# KiCad board FMC_MIPI_v2.kicad_pcb (continued)
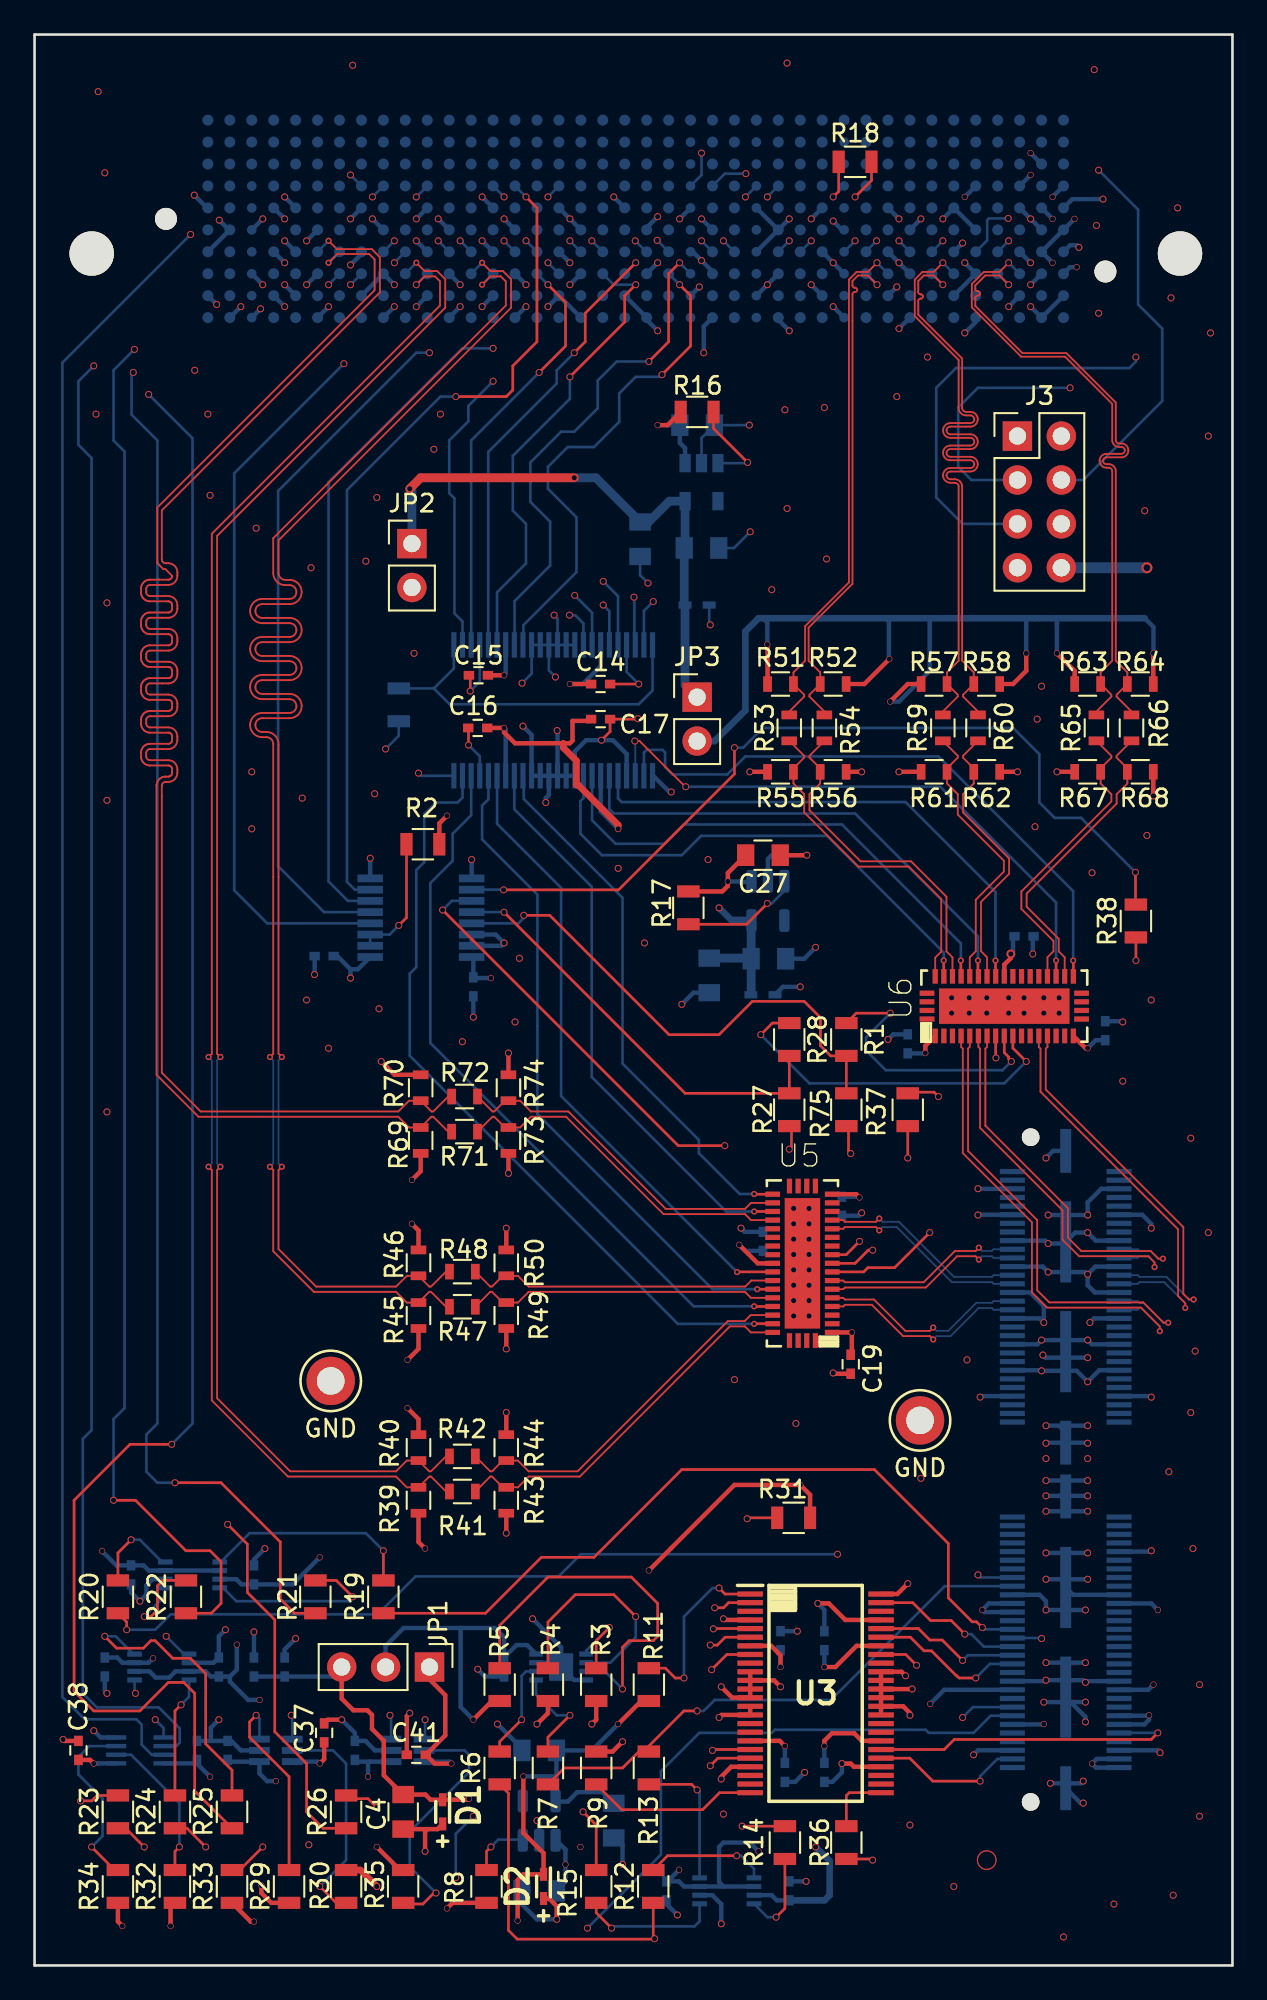
[diagram p0: board, top side]
## Routing (per net, layer and track width the routed paths; a pad name or vN(x,y) marks a point on that pad's centre or on a via; arc(x,y) is an arc through that point) (continued)
/VOLT_1P2: length 120.4
  Top w0.254: C17.1 32.11,72.03 31.14,72.03 31.14,70.89 30.99,70.74 27.81,70.74 27.18,71.37 v3(27.18,71.63) C16.1
  Top w0.381: R30.1 18.86,5.52 v2(19.81,4.57) ; 30.61,70.74 30.61,70.48 31.37,69.72 31.37,68.33 31.47,68.33 33.78,66.01 v3(33.78,65.79)
  In2.Cu w0.381: v3(33.78,65.79) 35.05,65.79 v2(39.62,61.21)
  In3.Cu w0.254: 16.26,13.21 14.48,11.43 14.48,11.18 v3(13.97,10.67)
  In3.Cu w0.381: 22.86,12.45 22.86,11.18 23.61,10.43 23.61,9.66 23.62,9.65 23.62,5.84 22.35,4.57 v2(19.81,4.57) ; 22.86,12.45 18.54,12.45 17.78,13.21 16.26,13.21 ; 22.86,12.45 24.13,13.72 24.13,14.22 27.43,17.53 27.43,21.34 35.31,29.21 35.31,56.9 v2(39.62,61.21)
  Bottom w0.254: U8.42 27.27,71.53 v3(27.18,71.63) ; U8.31 32.77,66.8 v3(33.78,65.79) ; 41.48,60.49 41.5,60.52 ; 41.45,58.3 C28.2 ; 41.41,56.43 41.66,56.18 ; C36.2 11.28,11.8 IC6.1 13.02,11.11 13.46,10.67 v3(13.97,10.67)
  Bottom w0.381: 41.5,60.52 40.32,60.52 v2(39.62,61.21)
  Bottom w0.508: 41.48,60.49 C28.2 41.48,56.43 ; C30.2 41.45,58.3
/VOLT_1P8: length 135
  Top w0.254: R11.2 35.12,15.31 v3(33.78,13.97) ; v3(27.97,2.59) 27.97,4.95 28.28,5.27 D2.1 29.46,6.5 28.3,7.67 v3(28.3,10.95) ; JP1.1 22.86,16.56 23.77,15.65 23.77,13.32 C41.2 23.16,11.68 v3(24.13,11.68) ; U3.42 47.58,18.5 46.36,17.27 v3(45.72,17.27) ; U3.31 47.89,13 47.45,13.44 46.15,13.44 45.72,13 v3(45.72,12.7)
  In2.Cu w0.254: v3(27.97,2.59) 27.99,2.59 29.21,3.81 30.35,3.81 31.52,4.98 36.75,4.98 v3(37.31,5.54)
  In3.Cu w0.254: JP1.1 22.86,16.26 21.97,15.37 v3(13.03,15.37) ; v3(24.13,11.68) 31.5,11.68 v3(33.78,13.97) ; v3(11.71,18.57) 10.41,18.57 5,23.98 v3(3.91,23.98) ; v3(41.91,6.6) 42.67,5.84 46.23,5.84 46.74,6.35 46.74,10.67 45.72,11.68 v3(45.72,12.7) 45.72,13.21 46.74,14.22 46.74,16.76 46.23,17.27 v3(45.72,17.27)
  Bottom w0.254: 11.31,16.72 C34.1 10.2,16.72 9.9,17.02 IC5.3 8.16,17.02 7.8,16.66 7.01,16.66 6.65,17.02 IC5.6 ; 11.31,16.72 11.71,17.12 v3(11.71,18.57) ; 11.31,16.72 11.31,16.42 12.37,15.37 v3(13.03,15.37) ; v3(24.13,11.68) 24.02,11.8 IC7.6 ; v3(3.91,23.98) 4.73,23.16 C32.1 6.31,23.16 6.61,22.86 IC4.6 ; IC3.6 41.69,4.57 39.88,4.57 ; v3(41.91,6.6) 41.4,7.11 39.88,7.11 39.62,6.86 39.62,4.83 39.88,4.57 ; v3(33.78,13.97) 32.26,12.45 C8.2 30.21,9.53 30.16,9.48 ; 30.16,9.48 30.87,9.48 31.42,10.03 32.88,10.03 C29.2 ; 30.16,9.48 30.16,10.95 v3(28.3,10.95) ; 39.88,4.57 IC3.3 37.6,4.57 37.3,4.87 C11.1 36.64,4.87 v3(37.31,5.54) ; v3(45.72,12.7) C13.1 ; C24.1 v3(45.72,17.27)
/VOLT_2P5: length 32.7
  Top w0.508: v2(21.72,85.47) 22.35,86.11 v2(31.24,86.11)
  Bottom w0.508: v2(31.24,86.11) 32.5,86.11 C31.2 35.54,83.55 36.75,84.75 U4.5 37.66,82.09 C26.2 37.61,78.79 D4.1 37.65,74.11 JP3.1 ; v2(21.72,85.47) 21.84,85.34 JP2.1
/VOLT_3P3: length 327.4
  Top w0.254: v3(36.07,89.15) 36.64,89.15 R16.1 ; v3(60.96,53.09) 60.85,53.09 U6.17 ; U5.17 47.56,44.64 v3(47.75,44.45) ; v3(23.88,3.3) 24.2,3.62 R8.1 ; U5.30 41.86,40.64 v3(40.79,41.71) ; U5.1 v3(47.31,36.64) 47.31,35.41 C19.2 ; v3(3.43,11.68) 3.22,11.9 C38.2 ; R17.1 39.81,62.16 40.13,62.48 v3(40.13,62.74) 40.13,63.23 C27.2 ; U6.1 51.56,53.23 v3(51.56,52.81) ; v5(56.52,58.55) 56.52,58.31 56.13,57.93 U6.30 ; R33.1 12.51,2.54 v3(12.7,2.54)
  In3.Cu w0.254: v3(51.56,52.81) 51.56,54.38 49.48,56.46 47.24,56.46 ; 36.07,62.99 36.07,74.85 37.52,76.3 37.52,81.1 36.07,82.55 v3(36.07,89.15) 36.07,89.41 49.02,102.36 v3(53.85,102.36) 55.33,102.36 55.71,101.98 55.71,101.69 ; 36.07,62.99 36.32,62.74 v3(40.13,62.74) ; 36.07,62.99 36.07,62.48 30.73,57.15 v3(26.42,57.15) ; 56.64,61.72 60.2,61.72 62.23,59.69 62.23,54.36 v3(60.96,53.09) ; 56.64,61.72 55.88,61.72 ; 56.64,61.72 56.52,61.59 v5(56.52,58.55) ; v3(3.43,11.68) 3.43,11.1 7.33,7.2 7.33,5.63 8.55,4.41 10.12,4.41 11.99,2.54 v3(12.7,2.54) 13.46,3.3 v3(23.88,3.3) 26.42,5.84 v3(30.73,5.84) 30.73,7.39 31.29,7.95 34.7,7.95 37.36,10.62 37.36,11.02 37.87,11.53 37.87,12.73 37.06,13.54 37.06,14.83 38.51,16.28 38.51,17.58 38.13,17.96 38.13,27.71 39.88,29.46 46.63,29.46 48.13,30.97 48.13,32.82 50.55,35.23 50.55,36.83 50.37,36.65 47.32,36.65 v3(47.31,36.64) ; v3(58.93,102.36) 56.39,102.36 ; 56.39,102.36 56.39,103.63 v3(57.66,104.9) ; 56.39,102.36 v3(57.66,103.63) ; 47.55,50.85 46.28,50.85 44.7,49.28 43.36,49.28 39.62,45.54 39.62,42.88 v3(40.79,41.71) ; v3(47.75,44.45) 48.51,45.21 48.51,45.47 48.77,45.72 48.77,45.97
  In3.Cu w0.381: 55.88,61.72 47.5,61.72 ; 50.55,36.83 50.55,44.2 48.77,45.97
  In3.Cu w0.635: 56.39,102.36 55.12,101.09 55.12,93.09 50.04,88.01 50.04,80.52 55.12,75.44 55.12,69.34 47.24,61.47 47.24,51.15 48.77,49.63 48.77,45.97
  Bottom w0.254: 3.69,11.7 U2.1 ; 3.69,11.7 3.68,11.68 v3(3.43,11.68) ; 3.69,11.7 3.56,11.7 ; U4.1 37.66,87.82 37.35,88.12 C25.2 v3(36.07,89.15) ; C20.2 47.71,44.49 v3(47.75,44.45) ; C22.2 61.43,53.55 v3(60.96,53.09) ; C23.2 51.55,52.79 v3(51.56,52.81) ; J1.D40 v3(58.93,102.36) ; v3(40.13,62.74) 40.85,62.74 40.87,62.72 41.5,62.72 ; C18.2 41.14,41.36 v3(40.79,41.71) ; J1.C39 v3(57.66,104.9) ; 30.16,7.28 30.73,6.71 v3(30.73,5.84) 30.73,4.84 C7.2 ; IC1.16 25.4,58.27 C2.2 25.44,57.15 v3(26.42,57.15) ; v5(56.52,58.55) 56.64,58.67 56.64,59.48 C21.2 ; J1.D38 v3(57.66,103.63) ; J1.D36 v3(53.85,102.36)
CSI_C_CLK_N: length 12
  Top w0.102: U5.13 46.81,42.64 46.91,42.74 48.7,42.74 v1(48.89,42.55)
  Bottom w0.102: v1(48.89,42.55) 49.09,42.74 49.91,42.74 53.1,39.55 55.42,39.55 55.52,39.45 J2.27
CSI_C_CLK_P: length 12
  Top w0.102: U5.14 46.81,43.14 46.91,43.04 48.7,43.04 v1(48.89,43.23)
  Bottom w0.102: v1(48.89,43.23) 49.09,43.04 50.04,43.04 53.22,39.85 55.42,39.85 55.52,39.95 J2.25
CSI_C_D0_N: length 11.4
  Top w0.102: v1(54.66,40.86) 54.47,41.05 53.4,41.05 51.6,39.24 46.91,39.24 46.81,39.14 U5.6
  Bottom w0.102: J2.21 55.52,40.95 55.42,41.05 54.85,41.05 v1(54.66,40.86)
CSI_C_D0_P: length 11.4
  Top w0.102: U5.7 46.81,39.64 46.91,39.54 51.47,39.54 53.28,41.35 54.47,41.35 v1(54.66,41.54)
  Bottom w0.102: v1(54.66,41.54) 54.85,41.35 55.42,41.35 55.52,41.45 J2.19
CSI_C_D1_N: length 12.1
  Top w0.102: U5.4 46.81,38.14 46.91,38.24 48.46,38.24 50.28,36.42 51.83,36.42 v1(52.02,36.23)
  Bottom w0.102: v1(52.02,36.23) 52.21,36.42 53.02,36.42 54.65,38.05 55.42,38.05 55.52,37.95 J2.33
CSI_C_D1_P: length 12.1
  Top w0.102: U5.5 46.81,38.64 46.91,38.54 48.59,38.54 50.41,36.73 51.83,36.73 v1(52.02,36.92)
  Bottom w0.102: J2.31 55.52,38.45 55.42,38.35 54.52,38.35 52.9,36.73 52.21,36.73 v1(52.02,36.92)
CSI_D_CLK_N: length 23.9
  Top w0.102: U6.13 58.13,53.16 58.23,53.07 58.23,50.57 66.19,42.61 66.19,38.75 66.61,38.33 v1(66.61,38.06)
  Bottom w0.102: J2.28 63.86,39.45 63.96,39.55 65.39,39.55 66.61,38.33 v1(66.61,38.06)
CSI_D_CLK_P: length 23.9
  Top w0.102: U6.14 58.63,53.16 58.54,53.07 58.54,50.7 66.5,42.74 66.5,38.87 66.83,38.55 v1(67.1,38.55)
  Bottom w0.102: v1(67.1,38.55) 66.83,38.55 65.52,39.85 63.96,39.85 63.86,39.95 J2.26
CSI_D_D0_N: length 22.5
  Top w0.102: v1(64.83,40.42) 64.83,40.69 64.48,41.05 60.46,41.05 59.51,42 59.51,43.7 54.73,48.48 54.73,53.07 54.64,53.16 U6.6
  Bottom w0.102: v1(64.83,40.42) 64.83,40.69 64.48,41.05 63.96,41.05 63.86,40.95 J2.22
CSI_D_D0_P: length 22.5
  Top w0.102: U6.7 55.14,53.16 55.04,53.07 55.04,48.61 59.82,43.83 59.82,42.13 60.59,41.35 64.6,41.35 65.05,40.91 v1(65.32,40.91)
  Bottom w0.102: v1(65.32,40.91) 65.05,40.91 64.6,41.35 63.96,41.35 63.86,41.45 J2.20
CSI_D_D1_N: length 28.1
  Top w0.102: v1(65.14,36.71) 65.14,36.98 64.05,38.07 58.61,38.07 57.73,38.95 57.73,43.02 53.73,47.02 53.73,53.07 53.63,53.16 U6.4
  Bottom w0.102: J2.34 63.86,37.95 63.96,38.05 64.07,38.05 65.14,36.98 v1(65.14,36.71)
CSI_D_D1_P: length 28.1
  Top w0.102: U6.5 54.14,53.16 54.04,53.07 54.04,47.14 58.04,43.14 58.04,39.08 58.74,38.38 64.17,38.38 65.35,37.2 v1(65.62,37.2)
  Bottom w0.102: v1(65.62,37.2) 65.35,37.2 64.2,38.35 63.96,38.35 63.86,38.45 J2.32
Earth: length 388.5
  Top w0.152: v2(25.22,73.76) 25.22,74.6 C15.2 ; C14.2 v2(34.98,74.17) ; v2(32.82,70.92) 33.32,71.42 C17.2 34.9,72.14 v2(34.92,72.16) ; C16.2 25.12,71.61 v2(25.12,70.64)
  Top w0.254: v2(46.74,11.68) 47.24,11.68 47.43,11.5 U3.28 ; R49.1 v2(27.3,35.69) ; U3.35 U3.36 U3.37 ; U3.35 U3.34 ; U3.35 50.28,15 50.67,14.61 v2(50.67,14.48) ; v2(30.23,2.67) 30.23,3.43 29.78,3.87 D2.2 ; U3.48 49.95,21.5 v2(50.55,22.1) ; v2(39.62,14.35) 39.77,14.5 U3.15 U3.14 ; v2(39.88,20.07) 39.95,20 U3.4 ; R55.1 v2(41.4,69.09) ; U3.37 50.8,16 v2(50.8,16) ; U3.37 U3.38 U3.39 50.18,17 v2(50.42,16.76) ; R44.2 v2(27.3,32) ; R43.1 v2(27.3,25.02) ; R73.1 v2(27.43,45.85) ; R50.2 v2(27.3,42.67) ; v2(32.26,13.97) 32.51,14.22 R3.2 ; v2(43.18,16.13) 42.81,16.5 U3.11 ; R67.1 v2(59.18,69.09) ; C38.1 1.74,13 v2(1.65,13.08) ; R68.2 64.76,67.7 v2(64.77,67.69) ; v2(34.04,12.95) 33.46,12.38 R9.2 ; U3.45 46.93,20 45.97,20.95 v2(45.34,20.95) ; R62.2 v2(56.9,69.09) ; v2(39.75,16.13) 40.38,15.5 U3.13 U3.12 U3.11 ; U3.10 U3.11 ; R61.1 v2(50.04,69.09) ; C27.1 v2(44.7,64.26) ; v2(29.08,13.97) 29.72,14.61 R4.2 ; v2(21.72,14.61) 21.55,14.44 C41.1 ; C4.1 22.75,7.89 ; 22.75,7.89 23.32,7.89 D1.2 ; 22.75,7.89 22.61,7.75 v2(22.61,6.6) ; R56.2 v2(47.88,69.09) ; C19.1 46.27,34.25 v2(46.23,34.29) ; v2(39.75,10.79) 39.75,10.92 40.33,11.5 U3.21 ; v2(17.78,14.22) 16.98,14.22 C37.1 ; R74.2 v2(27.43,52.81)
  In2.Cu w0.635: J3.7 J3.8
  Bottom w0.152: D4.2 39.05,77.66 v2(39.12,77.6) ; v2(41.43,82.98) 40.49,82.04 C26.1 ; 25.3,64 v2(25.3,64.01) ; U8.12 U8.11 U8.10 28.77,74.77 v2(28.22,74.22) ; U8.12 U8.13 ; U8.12 29.77,74.95 v2(30.15,74.57) ; 19.43,64.08 v2(19.43,64.08) ; v2(20.32,70.41) 21.08,71.17 R10.2 ; U8.13 U8.14 U8.15 ; U8.13 30.27,77.96 v2(30.07,78.16) ; C31.1 35.05,80.47 v2(35.51,80.01) ; U4.2 38.61,88.41 C25.1 v2(41.38,89.15) ; U8.45 25.77,69.99 v2(25.12,70.64) ; U8.21 34.27,74.87 v2(34.98,74.17) ; v2(22.22,69.01) 22.38,68.86 U8.48 ; U8.4 25.77,74.31 v2(25.22,73.76)
  Bottom w0.254: J2.47 58.26,34.45 v2(58.29,34.42) 60.33,34.42 v2(60.96,33.78) 61.63,34.45 J2.48 ; v2(30.25,71.48) 30.27,71.45 U8.36 ; v2(46.23,100.97) 46.74,100.46 46.86,100.46 ; IC2.9 30.48,18.41 v2(28.83,20.07) ; IC2.9 30.23,17.52 IC2.7 ; IC2.9 31.23,16.52 IC2.4 ; IC1.9 25.3,64 ; J2.17 58.51,41.95 v2(58.67,41.78) 59.6,41.78 J2.G2 60.23,42.42 v2(60.96,42.42) 61.43,41.95 J2.18 ; J2.30 61.38,38.95 60.96,39.37 v2(60.96,40) ; U8.37 29.77,67.75 29.59,67.56 v2(29.59,67.31) ; U8.37 U8.38 U8.39 28.77,71.23 v2(28.27,71.73) ; U8.37 U8.36 ; U8.36 U8.35 U8.34 31.27,70.26 31.93,70.92 v2(32.82,70.92) 33.48,70.92 34.27,70.12 U8.28 ; v2(64.64,42.67) 64.64,42.93 64.12,43.45 J2.12 ; D3.2 43.32,56.64 v2(44.32,56.64) ; v2(36.07,94.62) 35.43,95.25 J1.K21 J1.J20 ; U7.2 42.45,64.04 42.67,64.26 v2(44.7,64.26) ; J1.F6 v2(15.75,99.82) ; C22.1 62.95,54.65 v2(62.99,54.61) ; C29.1 33.64,7.38 34.04,6.98 v2(34.04,5.84) ; J2.23 58.36,40.45 v2(58.67,40.13) 60.83,40.13 v2(60.96,40) ; v2(60.96,30.23) 60.93,30.26 J2.G4 ; J1.F12 v2(23.37,101.09) ; 11.25,100.46 v2(10.69,101.02) ; J1.E23 v2(37.34,101.09) ; v2(17.78,14.22) 18.54,13.46 C40.1 19.16,13 19.71,12.45 IC7.2 ; J2.54 64.58,32.95 v2(64.64,32.89) ; C18.1 41.11,42.46 v2(40.89,42.67) ; J1.K33 v2(50.04,94.74) ; J1.G17 v2(30.99,98.55) ; J1.J23 v2(38.48,97.16) ; C1.1 16.21,57.36 v2(16.21,57.35) ; v2(36.07,101.22) 35.43,100.58 J1.F21 ; 26.54,101.73 v2(25.91,102.36) ; J1.G26 J1.F27 ; J1.F27 v2(43.69,101.09) ; J1.F27 J1.E26 ; C24.2 45.72,20.57 v2(45.34,20.95) ; v2(37.47,55.63) 38.14,56.3 C30.1 ; J1.E5 v2(14.48,102.36) ; v2(25.65,17.14) 26.08,16.72 C3.2 ; IC5.2 10.37,17.52 C34.2 10.67,19.05 v2(11.05,19.43) ; v2(43.69,94.62) 43.05,95.25 J1.K27 ; v2(26.8,13.97) 28.21,12.56 C8.1 ; J1.J35 J1.H36 v2(53.85,98.55) ; J1.E11 v2(22.1,101.09) ; v2(58.67,43.43) v2(60.96,43.43) 60.96,44.17 61.74,44.95 J2.6 ; v2(58.55,23.88) v2(60.96,23.88) ; v2(46.74,11.68) 46.74,11.18 46.19,10.63 C13.2 ; J2.24 61.4,40.45 v2(60.96,40) ; v2(60.96,27.18) 59.31,27.18 ; 59.31,27.18 v2(58.55,27.18) ; 59.31,27.18 59.66,27.18 J2.G5 ; v2(60.83,14.1) 60.83,14.38 J2.G7 ; J1.K15 v2(28.45,96.01) ; C20.1 47.71,43.39 v2(47.88,43.56) ; J1.G29 v2(46.23,98.55) 46.86,97.92 ; J1.F33 v2(51.31,101.09) ; J1.K24 38.73,94.87 v2(38.73,93.34) ; J2.99 58.49,16.45 v2(58.55,16.51) 60.71,16.51 v2(60.83,16.38) 60.9,16.45 J2.100 ; J1.F15 v2(27.18,101.09) ; IC1.8 19.43,64.08 ; v2(60.83,20.57) v2(58.55,20.57) 58.55,21.08 58.18,21.45 J2.79 ; J1.E38 v2(57.66,101.09) J1.F39 ; J1.F36 J1.E35 v2(52.58,101.09) ; J1.G40 59.94,99.57 60.33,99.57 v2(60.45,99.44) ; J1.G32 v2(50.04,98.55) J1.H33 ; v2(60.96,28.07) v2(58.55,28.07) ; v2(58.42,15.24) v2(60.83,15.24) ; C35.2 4.06,15.88 v2(4.19,15.75) ; J1.G11 v2(22.1,99.82) ; v2(20.83,97.28) J1.H9 J1.J8 ; J1.F18 v2(30.99,101.09) J1.E17 ; J1.E8 v2(18.29,101.09) ; J1.E40 60.07,102.23 v2(61.85,102.23) ; C2.1 v2(25.4,54.89) ; v2(29.08,8.38) 29.21,8.25 U1.2 ; v2(58.8,10.54) 60.58,10.54 v2(60.71,10.67) ; J2.35 58.18,37.45 v2(58.42,37.21) 58.42,38.17 57.64,38.95 J2.29 ; C21.1 57.79,59.52 v2(57.79,58.55) ; J1.H15 v2(28.45,97.28) ; C23.1 49.7,53.89 v2(49.4,53.59) ; J2.116 65.02,12.45 v2(65.15,12.32) ; 46.86,95.38 v2(46.23,96.01) ; J1.J32 v2(49.91,97.16) ; v2(58.55,30.23) 58.58,30.26 J2.G4 ; v2(60.96,35.18) 58.52,35.18 v2(58.37,35.33) ; v2(37.21,2.92) 36.58,3.56 C11.2 ; J1.H12 v2(24.64,97.28) ; v2(60.96,31.24) 59.69,31.24 J2.G4 ; v2(36.86,67.92) 36.75,67.92 35.82,68.86 U8.25 ; 26.54,96.65 v2(25.91,96.01) ; C10.2 44.03,10.63 v2(44.58,11.18) ; IC3.2 39.23,4.07 39.75,3.55 v2(39.75,2.41) ; J1.F9 v2(19.56,101.09) ; J2.G8 60.55,9.4 v2(60.71,9.4) ; C28.1 44.55,58.27 v2(45.21,58.93) ; J1.J29 v2(44.96,97.28) ; J1.K18 J1.J17 v2(29.72,96.01) ; J2.36 61.33,37.45 v2(61.09,37.21) ; v2(30.23,2.67) 29.08,2.67 28.21,3.54 C7.1 ; J1.K3 v2(13.08,95.88) ; v2(54.74,32.89) 54.8,32.95 J2.53 ; v2(54.61,44.96) 54.62,44.95 J2.5 ; 59.69,20.7 J2.G6 60.11,21.45 J2.80 ; v2(58.55,22.35) v2(60.96,22.35) ; C12.2 v2(44.66,4.87) ; J1.E32 v2(50.04,101.09) ; C6.1 v2(12.7,19.3) ; J1.G23 38.1,99.19 v2(38.61,98.68) 39.24,98.04 J1.H24 ; J1.H6 v2(15.75,97.28) ; C39.1 10.2,13 ; 10.2,13 C36.1 11.39,13 11.94,12.45 IC6.2 ; 10.2,13 10.2,13.76 v2(10.67,14.22) ; 26.54,99.19 v2(25.91,99.82) ; v2(18.29,98.42) 18.92,99.06 J1.G8 ; J2.42 61.2,35.95 v2(60.96,36.19) v2(58.29,36.19) 58.05,35.95 J2.41 ; J1.K36 54.48,95.12 v2(53.85,94.49) ; v2(3.43,13.59) 3.82,13.2 U2.4 ; J1.G5 v2(14.48,99.82) ; J1.H18 v2(30.99,97.28) ; J1.E1 9.98,101.73 v2(9.25,102.46) ; C33.2 12.7,23.5 v2(13.33,24.13) ; v2(15.11,18.92) 14.48,18.29 C5.1 ; J1.H21 v2(36.07,98.55) ; J1.E4 v2(14.48,101.09) ; J1.J4 v2(14.48,96.01) ; J1.K6 v2(17.02,96.01) ; J1.K9 v2(20.83,96.01) ; C32.2 5.59,21.59 v2(6.1,21.08) 6.48,21.46 6.48,22 6.83,22.36 7.57,22.36 ; J1.J5 v2(14.48,97.28) ; J1.K12 v2(24.64,96.01) ; J1.J1 v2(10.54,96.14) ; v2(57.66,96.01) J1.K39 J1.J40 ; J2.70 64.59,23.95 v2(64.64,24) ; J1.H39 v2(57.66,97.28) ; J1.G1 J1.F2 ; v2(58.55,31.24) 59.31,31.24 59.69,30.86 J2.G4 ; C9.2 v2(44.15,19.35) ; J1.H27 v2(42.42,97.28) J1.J26 ; v2(58.55,46.74) 58.96,47.14 J2.G1 ; J1.F3 v2(13.21,101.09) ; J1.K2 v2(11.94,96.01) ; J1.G38 v2(57.66,98.55) ; v2(60.83,17.53) v2(58.55,17.53) ; v2(60.96,26.29) v2(58.55,26.29) ; J1.G35 v2(53.72,99.69) ; J1.F24 v2(38.61,101.09) ; v2(54.61,43.43) 54.63,43.45 J2.11 ; J1.G4 v2(14.48,98.55) ; J1.E20 v2(33.53,102.36) ; J1.J11 v2(22.1,96.01) ; J2.115 54.62,12.45 v2(54.36,12.19) ; J1.J38 v2(56.39,96.01) ; J1.H3 v2(13.21,97.28) ; J1.E29 v2(44.96,101.09) ; 26.69,59.67 v2(27.18,59.18) 27.01,59.02 IC1.15 IC1.14 26.69,59.67
  Bottom w0.635: J3.8 v6(64.39,80.9)
  vias: v2(3.56,89.79) v2(3.68,108.46) v2(4.06,103.76) v2(4.19,78.87) v2(4.19,67.44) v2(4.19,49.4) v2(9.27,92.33) v2(10.03,89.79) v2(10.16,85.09) v2(12.57,69.09) v2(12.57,65.79) v2(12.83,83.19) v2(15.49,67.56) v2(15.88,6.98) v2(16,80.9) v2(17.02,53.09) v2(18.41,109.98) v2(19.18,81.28) v2(19.69,67.82) v2(19.81,84.96) v2(19.94,55.37) v2(21.97,75.95) v2(23.11,87.76) v2(24.77,53.47) v2(27.81,54.61) v2(28.07,58.29) v2(33.78,63.5) v2(35.31,59.18) v2(38.99,64.01) v2(39.88,8.76) v2(40.51,33.91) v2(42.67,79.63) v2(43.43,90.04) v2(43.56,110.11) v2(43.56,84.33) v2(43.94,43.81) v2(43.94,42.93) v2(43.94,42.04) v2(43.94,41.15) v2(43.94,40.26) v2(43.94,39.37) v2(43.94,38.48) v2(43.94,37.59) v2(44.07,31.37) v2(44.83,43.81) v2(44.83,42.93) v2(44.83,42.04) v2(44.83,41.15) v2(44.83,40.26) v2(44.83,39.37) v2(44.83,38.48) v2(44.83,37.59) v2(45.72,90.17) v2(45.85,81.41) v2(49.91,90.81) v2(50.67,8.13) v2(51.31,28.19) v2(51.69,93.09) v2(53.09,56.01) v2(53.09,55.12) v2(53.21,4.57) v2(53.98,35.05) v2(54.1,56.01) v2(54.1,55.12) v2(55.12,56.01) v2(55.12,55.12) v2(56.39,56.01) v2(56.39,55.12) v2(57.28,56.01) v2(57.28,55.12) v2(57.91,65.91) v2(58.04,72.14) v2(58.29,74.04) v2(58.42,56.01) v2(58.42,55.12) v2(58.55,29.34) v2(59.31,56.01) v2(59.31,55.12) v2(59.56,1.65) v2(60.96,29.34) v2(61.21,63.25) v2(61.34,109.73) v2(61.47,100.71) v2(61.59,95.63) v2(62.48,3.56) v2(62.99,51.18) v2(64.26,84.2) v2(64.39,65.41) v2(64.64,55.88) v2(65.66,28.58) v2(65.79,96.52) v2(65.91,4.06) v2(66.17,101.73) v2(66.93,47.88) v2(66.93,32) v2(67.06,24.13) v2(67.18,35.56) v2(67.44,16.26) v2(67.44,8.64) v2(67.95,88.52) v2(67.95,42.42) v2(68.07,94.49)
FMC_1P2V_MONITOR: length 95.4
  In2.Cu w0.152: v2(14.86,14.48) 13.84,15.49 13.84,19.69 9.65,23.88 9.65,30.23 6.65,33.22 6.65,39.14 8.51,41 8.51,90.04 11.43,92.96 14.99,92.96 18.29,96.27 v2(18.29,97.28)
  Bottom w0.152: J1.H8 v2(18.29,97.28) ; v2(14.86,14.48) 14.92,14.42 IC6.4
FMC_1P8V_MONITOR: length 97.5
  Top w0.152: U3.8 40.07,18 v2(39.19,17.12)
  In2.Cu w0.152: v2(39.19,17.12) 35.02,21.29 35.02,50.44 41.27,56.69 43.23,56.69 44.45,57.91 45.72,57.91 46.2,58.39 46.2,60.68 48.61,63.09 48.61,92.49 43.69,97.41 v2(43.69,99.82)
  Bottom w0.152: J1.G27 v2(43.69,99.82)
FMC_2P8V_MONITOR: length 107.2
  In2.Cu w0.152: v2(9.03,100.19) 12.47,103.63 v2(18.29,103.63)
  Bottom w0.152: v2(9.03,100.19) 1.61,92.77 1.61,15.53 2.9,14.25 5.89,14.25 6.2,13.94 6.2,12.78 6.79,12.2 U2.7 ; J1.D8 v2(18.29,103.63)
FMC_3P3V_MONITOR: length 107.1
  In2.Cu w0.152: v2(3.43,92.58) 12.57,101.73 15.88,101.73 16.51,102.36 v2(19.56,102.36)
  Bottom w0.152: J1.D9 v2(19.56,102.36) ; U2.6 8.2,12.7 8.4,12.9 8.4,13.72 7.19,14.94 3.61,14.94 2.79,15.75 2.79,30.48 3.3,30.99 3.3,87.25 2.54,88.01 2.54,91.69 v2(3.43,92.58)
FMC_CAM0_MCLK: length 96.3
  Top w0.152: v2(39.37,20.7) 39.88,20.7 40.17,21 U3.2
  In2.Cu w0.152: v2(39.37,20.7) 38.73,21.34 38.73,48.13 41.91,51.31 49.02,51.31 50.55,52.83 50.55,58.55 54.74,62.74 54.74,95.1 53.7,96.14 51.82,96.14 50.8,97.16 50.8,99.06 v2(50.04,99.82)
  Bottom w0.152: J1.G33 v2(50.04,99.82)
FMC_CAM0_PWR: length 96
  Top w0.152: v2(39.29,19.48) 39.31,19.5 U3.5
  In2.Cu w0.152: v2(39.29,19.48) 37.8,20.98 37.8,49.05 41.76,53.01 46.28,53.01 48.64,55.37 48.64,59.12 53.09,63.56 53.09,92.96 50.1,95.95 48.83,95.95 47.5,97.28 v2(47.5,99.82)
  Bottom w0.152: 46.86,99.19 v2(47.5,99.82)
FMC_CAM0_RST: length 96.5
  Top w0.152: v2(39.12,18.54) 39.52,18.54 39.98,19 U3.6
  In2.Cu w0.152: v2(44.96,99.82) 44.96,98.42 51.43,91.95 51.43,63.88 47.24,59.69 47.24,56.52 45.77,55.04 41.68,55.04 37.08,50.44 37.08,20.57 v2(39.12,18.54)
  Bottom w0.152: J1.G28 v2(44.96,99.82)
FMC_CSI_LP_C_CLK_N: length 29.5
  Top w0.152: v2(37.34,98.55) 36.7,97.92 36.7,93.98 v2(35.56,92.84)
  Bottom w0.152: J1.H23 v2(37.34,98.55) ; v2(35.56,92.84) 33.7,92.84 32.6,91.73 32.6,90.13 31.24,88.77 30.48,88.77 28.7,87 28.7,84.71 29.84,83.57 29.84,81.03 27.79,78.97 27.79,76.45 U8.8
FMC_CSI_LP_C_CLK_P: length 29.1
  Top w0.152: v2(36.32,92.07) 37.97,93.73 37.97,96.65 v2(37.34,97.28)
  Bottom w0.152: v2(36.32,92.07) 36.19,91.95 34.8,91.95 33.85,91 33.85,89.34 32.39,87.88 30.86,87.88 29.72,86.74 29.72,85.47 31.37,83.82 31.37,80.64 28.3,77.57 28.3,76.45 U8.9 ; J1.H22 v2(37.34,97.28)
FMC_CSI_LP_C_D0_N: length 26.6
  Top w0.152: v2(31.24,93.34) 31.88,93.98 31.88,95.63 v2(34.8,98.55)
  Bottom w0.152: J1.H20 v2(34.8,98.55) ; U8.5 26.26,76.44 26.26,87.6 30.23,91.57 30.23,92.33 v2(31.24,93.34)
FMC_CSI_LP_C_D0_P: length 27
  Top w0.152: v2(34.8,97.28) 34.16,96.65 34.16,95.12 v2(30.99,91.95)
  Bottom w0.152: J1.H19 33.53,97.28 v2(34.8,97.28) ; U8.6 26.77,76.43 26.77,79.48 28.45,81.15 28.45,83.44 27.69,84.2 27.69,87.38 30.99,90.68 v2(30.99,91.95)
FMC_CSI_LP_C_D1_N: length 26.2
  In2.Cu w0.152: v2(26.54,91.69) 26.92,92.07 27.81,92.07 29.08,93.34 29.08,97.92 v2(29.72,98.55)
  Bottom w0.152: U8.2 24.77,77.79 24.31,78.26 24.31,84.91 24,85.22 24,88.27 25.11,89.37 25.11,90.26 v2(26.54,91.69) ; J1.H17 v2(29.72,98.55)
FMC_CSI_LP_C_D1_P: length 24.4
  Top w0.152: v2(29.72,97.28) 30.73,96.27 30.73,93.73 v2(29.21,92.2)
  Bottom w0.152: U8.3 25.27,88.26 v2(29.21,92.2) ; J1.H16 v2(29.72,97.28)
FMC_CSI_LP_D_CLK_N: length 24.9
  In2.Cu w0.152: v2(34.7,79.2) 34.7,94.51 35.43,95.25 35.43,99.24 v2(36.04,99.85)
  Bottom w0.152: J1.G22 v2(36.04,99.85) ; v2(34.7,79.2) 34.72,79.17 34.72,76.48 U8.22
FMC_CSI_LP_D_CLK_P: length 28.9
  In2.Cu w0.152: v2(35.81,78.94) 37.95,81.08 37.95,99.21 36.58,100.58 35.53,100.58 v2(34.77,99.82)
  Bottom w0.152: J1.G21 35.41,99.19 v2(34.77,99.82) ; v2(35.81,78.94) 35.27,78.4 U8.23
FMC_CSI_LP_D_D0_N: length 24.8
  In2.Cu w0.152: v2(32.26,99.82) 32.11,99.67 32.11,79.55 v2(32.92,78.74)
  Bottom w0.152: J1.G19 v2(32.26,99.82) ; U8.19 33.27,78.39 v2(32.92,78.74)
FMC_CSI_LP_D_D0_P: length 28.6
  In2.Cu w0.152: v2(32.92,80.11) 32.92,81.94 33.78,82.8 33.78,100.08 33.27,100.58 31.75,100.58 v2(30.99,99.82)